# KiCad board SparkFun_Thing_Plus_ESP32-S3_panelized.kicad_pcb (continued)
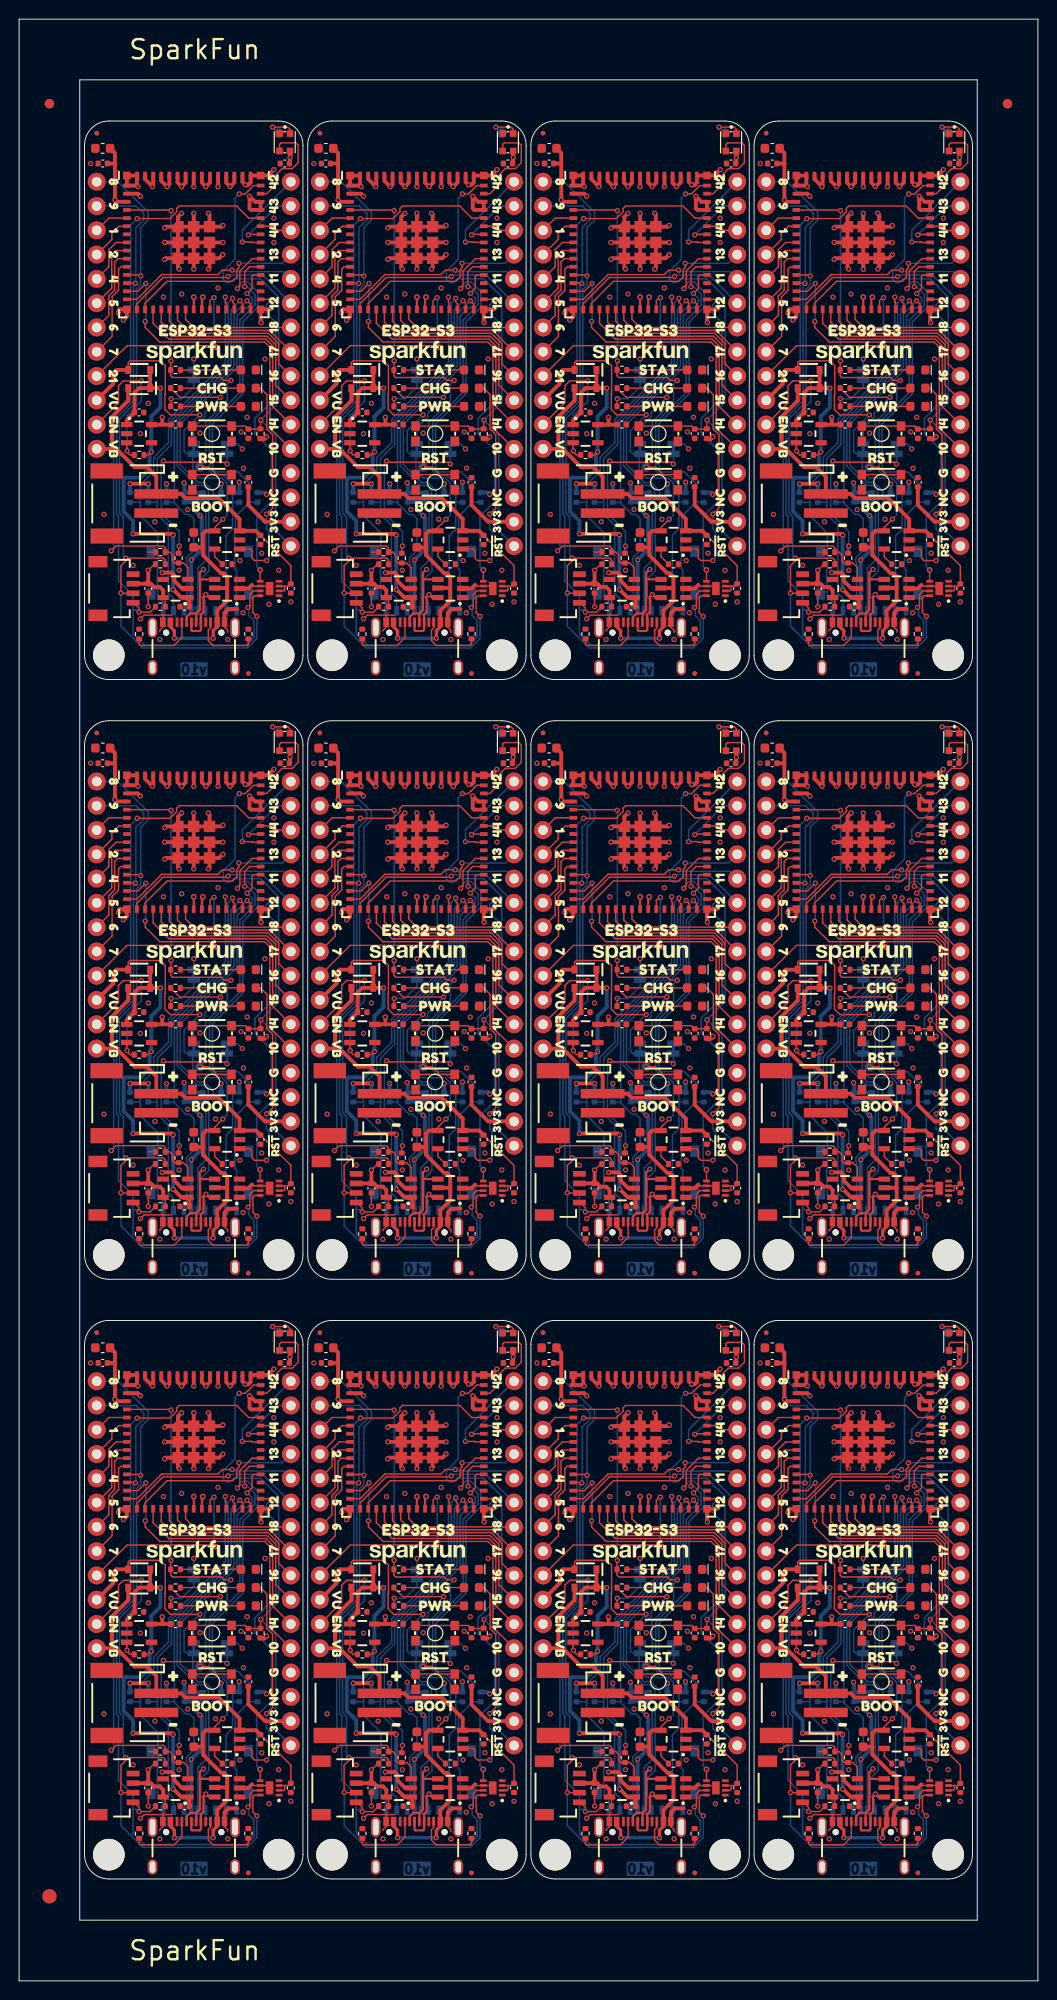
[diagram p0: board, top side]
## Placement (name value [footprint] x y rotation side) (continued)
ST1#2  Stand_off  [STAND-OFF]  79.47 13.2 0 top
ST1#3  Stand_off  [STAND-OFF]  9.39 75.93 0 top
ST1#4  Stand_off  [STAND-OFF]  32.75 13.2 0 top
ST1#5  Stand_off  [STAND-OFF]  56.11 13.2 0 top
ST1#6  Stand_off  [STAND-OFF]  32.75 138.66 0 top
ST1#7  Stand_off  [STAND-OFF]  79.47 138.66 0 top
ST1#8  Stand_off  [STAND-OFF]  9.39 138.66 0 top
ST1#9  Stand_off  [STAND-OFF]  32.75 75.93 0 top
ST1#10  Stand_off  [STAND-OFF]  56.11 138.66 0 top
ST1#11  Stand_off  [STAND-OFF]  79.47 75.93 0 top
ST1#12  Stand_off  [STAND-OFF]  9.39 13.2 0 top
ST3  Stand_off  [STAND-OFF]  50.53 75.93 0 top
ST3#2  Stand_off  [STAND-OFF]  97.25 138.66 0 top
ST3#3  Stand_off  [STAND-OFF]  73.89 13.2 0 top
ST3#4  Stand_off  [STAND-OFF]  97.25 13.2 0 top
ST3#5  Stand_off  [STAND-OFF]  27.17 75.93 0 top
ST3#6  Stand_off  [STAND-OFF]  27.17 138.66 0 top
ST3#7  Stand_off  [STAND-OFF]  73.89 75.93 0 top
ST3#8  Stand_off  [STAND-OFF]  50.53 13.2 0 top
ST3#9  Stand_off  [STAND-OFF]  50.53 138.66 0 top
ST3#10  Stand_off  [STAND-OFF]  73.89 138.66 0 top
ST3#11  Stand_off  [STAND-OFF]  97.25 75.93 0 top
ST3#12  Stand_off  [STAND-OFF]  27.17 13.2 0 top
SW1  4.6x2.8mm  [Momentary_SMD_4.6x2.8mm_h2.5mm]  43.54 156.76 0 top
SW1#2  4.6x2.8mm  [Momentary_SMD_4.6x2.8mm_h2.5mm]  66.91 156.76 0 top
SW1#3  4.6x2.8mm  [Momentary_SMD_4.6x2.8mm_h2.5mm]  66.91 31.3 0 top
SW1#4  4.6x2.8mm  [Momentary_SMD_4.6x2.8mm_h2.5mm]  43.54 31.3 0 top
SW1#5  4.6x2.8mm  [Momentary_SMD_4.6x2.8mm_h2.5mm]  66.91 94.03 0 top
SW1#6  4.6x2.8mm  [Momentary_SMD_4.6x2.8mm_h2.5mm]  90.26 156.76 0 top
SW1#7  4.6x2.8mm  [Momentary_SMD_4.6x2.8mm_h2.5mm]  20.19 156.76 0 top
SW1#8  4.6x2.8mm  [Momentary_SMD_4.6x2.8mm_h2.5mm]  90.26 94.03 0 top
SW1#9  4.6x2.8mm  [Momentary_SMD_4.6x2.8mm_h2.5mm]  20.19 94.03 0 top
SW1#10  4.6x2.8mm  [Momentary_SMD_4.6x2.8mm_h2.5mm]  43.54 94.03 0 top
SW1#11  4.6x2.8mm  [Momentary_SMD_4.6x2.8mm_h2.5mm]  90.26 31.3 0 top
SW1#12  4.6x2.8mm  [Momentary_SMD_4.6x2.8mm_h2.5mm]  20.19 31.3 0 top
SW2  4.6x2.8mm  [Momentary_SMD_4.6x2.8mm_h2.5mm]  90.26 36.38 0 top
SW2#2  4.6x2.8mm  [Momentary_SMD_4.6x2.8mm_h2.5mm]  66.91 161.84 0 top
SW2#3  4.6x2.8mm  [Momentary_SMD_4.6x2.8mm_h2.5mm]  43.54 99.11 0 top
SW2#4  4.6x2.8mm  [Momentary_SMD_4.6x2.8mm_h2.5mm]  66.91 36.38 0 top
SW2#5  4.6x2.8mm  [Momentary_SMD_4.6x2.8mm_h2.5mm]  43.54 161.84 0 top
SW2#6  4.6x2.8mm  [Momentary_SMD_4.6x2.8mm_h2.5mm]  20.19 99.11 0 top
SW2#7  4.6x2.8mm  [Momentary_SMD_4.6x2.8mm_h2.5mm]  20.19 161.84 0 top
SW2#8  4.6x2.8mm  [Momentary_SMD_4.6x2.8mm_h2.5mm]  66.91 99.11 0 top
SW2#9  4.6x2.8mm  [Momentary_SMD_4.6x2.8mm_h2.5mm]  43.54 36.38 0 top
SW2#10  4.6x2.8mm  [Momentary_SMD_4.6x2.8mm_h2.5mm]  90.26 161.84 0 top
SW2#11  4.6x2.8mm  [Momentary_SMD_4.6x2.8mm_h2.5mm]  90.26 99.11 0 top
SW2#12  4.6x2.8mm  [Momentary_SMD_4.6x2.8mm_h2.5mm]  20.19 36.38 0 top
TP1  1.0mm  [TestPoint-1.0mm]  27.17 193.27 180 bottom
TP1#2  1.0mm  [TestPoint-1.0mm]  50.53 67.81 180 bottom
TP1#3  1.0mm  [TestPoint-1.0mm]  27.17 130.54 180 bottom
TP1#4  1.0mm  [TestPoint-1.0mm]  73.89 193.27 180 bottom
TP1#5  1.0mm  [TestPoint-1.0mm]  73.89 130.54 180 bottom
TP1#6  1.0mm  [TestPoint-1.0mm]  97.25 130.54 180 bottom
TP1#7  1.0mm  [TestPoint-1.0mm]  50.53 130.54 180 bottom
TP1#8  1.0mm  [TestPoint-1.0mm]  50.53 193.27 180 bottom
TP1#9  1.0mm  [TestPoint-1.0mm]  73.89 67.81 180 bottom
TP1#10  1.0mm  [TestPoint-1.0mm]  97.25 193.27 180 bottom
TP1#11  1.0mm  [TestPoint-1.0mm]  97.25 67.81 180 bottom
TP1#12  1.0mm  [TestPoint-1.0mm]  27.17 67.81 180 bottom
TP2  1.0mm  [TestPoint-1.0mm]  89 32.88 180 bottom
TP2#2  1.0mm  [TestPoint-1.0mm]  42.28 32.88 180 bottom
TP2#3  1.0mm  [TestPoint-1.0mm]  42.28 95.62 180 bottom
TP2#4  1.0mm  [TestPoint-1.0mm]  18.92 95.62 180 bottom
TP2#5  1.0mm  [TestPoint-1.0mm]  65.63 158.34 180 bottom
TP2#6  1.0mm  [TestPoint-1.0mm]  89 95.62 180 bottom
TP2#7  1.0mm  [TestPoint-1.0mm]  89 158.34 180 bottom
TP2#8  1.0mm  [TestPoint-1.0mm]  18.92 158.34 180 bottom
TP2#9  1.0mm  [TestPoint-1.0mm]  42.28 158.34 180 bottom
TP2#10  1.0mm  [TestPoint-1.0mm]  65.63 95.62 180 bottom
TP2#11  1.0mm  [TestPoint-1.0mm]  65.63 32.88 180 bottom
TP2#12  1.0mm  [TestPoint-1.0mm]  18.92 32.88 180 bottom
U1  RT9080-3.3  [SOT23-5]  16.38 145.65 180 top
U1#2  RT9080-3.3  [SOT23-5]  39.74 20.19 180 top
U1#3  RT9080-3.3  [SOT23-5]  16.38 82.92 180 top
U1#4  RT9080-3.3  [SOT23-5]  63.09 145.65 180 top
U1#5  RT9080-3.3  [SOT23-5]  86.46 145.65 180 top
U1#6  RT9080-3.3  [SOT23-5]  63.09 20.19 180 top
U1#7  RT9080-3.3  [SOT23-5]  39.74 145.65 180 top
U1#8  RT9080-3.3  [SOT23-5]  86.46 20.19 180 top
U1#9  RT9080-3.3  [SOT23-5]  63.09 82.92 180 top
U1#10  RT9080-3.3  [SOT23-5]  39.74 82.92 180 top
U1#11  RT9080-3.3  [SOT23-5]  86.46 82.92 180 top
U1#12  RT9080-3.3  [SOT23-5]  16.38 20.19 180 top
U2  TVS_ESD_USB  [SOT23-6]  21.77 145.65 180 top
U2#2  TVS_ESD_USB  [SOT23-6]  21.77 82.92 180 top
U2#3  TVS_ESD_USB  [SOT23-6]  68.49 145.65 180 top
U2#4  TVS_ESD_USB  [SOT23-6]  45.13 20.19 180 top
U2#5  TVS_ESD_USB  [SOT23-6]  91.85 145.65 180 top
U2#6  TVS_ESD_USB  [SOT23-6]  68.49 20.19 180 top
U2#7  TVS_ESD_USB  [SOT23-6]  45.13 82.92 180 top
U2#8  TVS_ESD_USB  [SOT23-6]  45.13 145.65 180 top
U2#9  TVS_ESD_USB  [SOT23-6]  68.49 82.92 180 top
U2#10  TVS_ESD_USB  [SOT23-6]  91.85 20.19 180 top
U2#11  TVS_ESD_USB  [SOT23-6]  91.85 82.92 180 top
U2#12  TVS_ESD_USB  [SOT23-6]  21.77 20.19 180 top
U3  ESP32-S3-MINI  [ESP32-MINI]  88.36 56.38 0 top
U3#2  ESP32-S3-MINI  [ESP32-MINI]  18.28 181.84 0 top
U3#3  ESP32-S3-MINI  [ESP32-MINI]  65 56.38 0 top
U3#4  ESP32-S3-MINI  [ESP32-MINI]  41.64 181.84 0 top
U3#5  ESP32-S3-MINI  [ESP32-MINI]  18.28 119.11 0 top
U3#6  ESP32-S3-MINI  [ESP32-MINI]  88.36 119.11 0 top
U3#7  ESP32-S3-MINI  [ESP32-MINI]  65 119.11 0 top
U3#8  ESP32-S3-MINI  [ESP32-MINI]  65 181.84 0 top
U3#9  ESP32-S3-MINI  [ESP32-MINI]  88.36 181.84 0 top
U3#10  ESP32-S3-MINI  [ESP32-MINI]  41.64 56.38 0 top
U3#11  ESP32-S3-MINI  [ESP32-MINI]  41.64 119.11 0 top
U3#12  ESP32-S3-MINI  [ESP32-MINI]  18.28 56.38 0 top
U4  MAX17048  [DFN-8]  96.3 145.65 180 top
U4#2  MAX17048  [DFN-8]  96.3 82.92 180 top
U4#3  MAX17048  [DFN-8]  26.22 82.92 180 top
U4#4  MAX17048  [DFN-8]  49.58 82.92 180 top
U4#5  MAX17048  [DFN-8]  72.94 82.92 180 top
U4#6  MAX17048  [DFN-8]  72.94 145.65 180 top
U4#7  MAX17048  [DFN-8]  96.3 20.19 180 top
U4#8  MAX17048  [DFN-8]  49.58 20.19 180 top
U4#9  MAX17048  [DFN-8]  72.94 20.19 180 top
U4#10  MAX17048  [DFN-8]  49.58 145.65 180 top
U4#11  MAX17048  [DFN-8]  26.22 145.65 180 top
U4#12  MAX17048  [DFN-8]  26.22 20.19 180 top
U5  MCP73831  [SOT23-5]  21.77 150.72 180 top
U5#2  MCP73831  [SOT23-5]  68.49 150.72 180 top
U5#3  MCP73831  [SOT23-5]  91.85 25.27 180 top
U5#4  MCP73831  [SOT23-5]  68.49 25.27 180 top
U5#5  MCP73831  [SOT23-5]  45.13 150.72 180 top
U5#6  MCP73831  [SOT23-5]  91.85 88 180 top
U5#7  MCP73831  [SOT23-5]  45.13 25.27 180 top
U5#8  MCP73831  [SOT23-5]  21.77 88 180 top
U5#9  MCP73831  [SOT23-5]  45.13 88 180 top
U5#10  MCP73831  [SOT23-5]  68.49 88 180 top
U5#11  MCP73831  [SOT23-5]  91.85 150.72 180 top
U5#12  MCP73831  [SOT23-5]  21.77 25.27 180 top
U6  RT9080-3.3  [SOT23-5]  12.56 99.11 0 top
U6#2  RT9080-3.3  [SOT23-5]  12.56 161.84 0 top
U6#3  RT9080-3.3  [SOT23-5]  35.93 36.38 0 top
U6#4  RT9080-3.3  [SOT23-5]  35.93 99.11 0 top
U6#5  RT9080-3.3  [SOT23-5]  59.28 36.38 0 top
U6#6  RT9080-3.3  [SOT23-5]  59.28 99.11 0 top
U6#7  RT9080-3.3  [SOT23-5]  59.28 161.84 0 top
U6#8  RT9080-3.3  [SOT23-5]  82.65 36.38 0 top
U6#9  RT9080-3.3  [SOT23-5]  82.65 99.11 0 top
U6#10  RT9080-3.3  [SOT23-5]  35.93 161.84 0 top
U6#11  RT9080-3.3  [SOT23-5]  82.65 161.84 0 top
U6#12  RT9080-3.3  [SOT23-5]  12.56 36.38 0 top
U9  ~  [ORDERING_INSTRUCTIONS]  116.3 61.46 0 top
U10  -  [ThingPlus]  18.28 102.6 0 top
U10#2  -  [ThingPlus]  65 165.33 0 top
U10#3  -  [ThingPlus]  41.64 39.87 0 top
U10#4  -  [ThingPlus]  18.28 165.33 0 top
U10#5  -  [ThingPlus]  41.64 102.6 0 top
U10#6  -  [ThingPlus]  41.64 165.33 0 top
U10#7  -  [ThingPlus]  65 39.87 0 top
U10#8  -  [ThingPlus]  65 102.6 0 top
U10#9  -  [ThingPlus]  88.36 165.33 0 top
U10#10  -  [ThingPlus]  88.36 39.87 0 top
U10#11  -  [ThingPlus]  88.36 102.6 0 top
U10#12  -  [ThingPlus]  18.28 39.87 0 top

## Library data of the parts
C1 C1#2-C1#12 = -: Description: Unpolarized capacitor; PROD_ID: CAP-14464; Tolerance: 20%; Voltage: 6.3V
C2 C2#2-C2#12 C5 C5#2-C5#12 C8 C8#2-C8#12 C11 C11#2-C11#12 = -: Description: Unpolarized capacitor; PROD_ID: CAP-14993; Tolerance: 10%; Voltage: 6.3V
C3 C3#2-C3#12 C4 C4#2-C4#12 = -: Description: Unpolarized capacitor; PROD_ID: CAP-14848; Tolerance: 20%; Voltage: 6.3V
C6 C6#2-C6#12 C13 C13#2-C13#12 = -: Description: Unpolarized capacitor; PROD_ID: CAP-14969; Tolerance: 10%; Voltage: 16V
C7 C7#2-C7#12 C12 C12#2-C12#12 = -: Description: Unpolarized capacitor; PROD_ID: CAP-14240; Tolerance: 10%; Voltage: 6.3V
C9 C9#2-C9#12 = -: Description: Unpolarized capacitor; PROD_ID: CAP-14106; Tolerance: 20%; Voltage: 35V
C10 C10#2-C10#12 C14 C14#2-C14#12 = -: Description: Unpolarized capacitor; PROD_ID: CAP-14232; Tolerance: 10%; Voltage: 10V
D1 D1#2-D1#12 = -: Description: Light emitting diode; PROD_ID: DIO-00821
D2 D2#2-D2#12 D3 D3#2-D3#12 = -: Description: Schottky diode; PROD_ID: DIO-14072; VDrop: 0.28V; VMax: 10V
D4 D4#2-D4#12 = -: Description: Light emitting diode; PROD_ID: DIO-09003
D5 D5#2-D5#12 = -: Description: Light emitting diode; PROD_ID: DIO-17976
D6 D6#2-D6#12 = -: Description: RGB LED with integrated controller; PROD_ID: DIO-15591
FID1 FID1#2-FID1#12 FID2 FID2#2-FID2#12 FID3 FID3#2-FID3#12 FID4 FID4#2-FID4#12 = -: Description: Fiducial Marker
J1 J1#2-J1#12 = -: Description: USB 2.0-only Type-C Receptacle connector; PROD_ID: CONN-14122
J2 J2#2-J2#12 = -: Description: Micro SD socket External Pin; PROD_ID: CONN-20948
J3 J3#2-J3#12 = -: Description: 2 Pin 2mm JST Battery Connector; PROD_ID: CONN-11443
J4 J4#2-J4#12 = -: Description: 4 pin JST 1mm polarized connector for I2C; PROD_ID: CONN-13694
JP1 JP1#2-JP1#12 JP2 JP2#2-JP2#12 JP3 JP3#2-JP3#12 = -: Description: Solder Jumper, 2-pole, closed/bridged
R1 R1#2-R1#12 R2 R2#2-R2#12 R3 R3#2-R3#12 R4 R4#2-R4#12 R5 R5#2-R5#12 R6 R6#2-R6#12 R8 R8#2-R8#12 R17 R17#2-R17#12 = -: Description: Resistor; PROD_ID: RES-14241
R7 R7#2-R7#12 = -: Description: Resistor; PROD_ID: RES-15187
R9 R9#2-R9#12 = -: Description: Resistor; PROD_ID: RES-15343
R10 R10#2-R10#12 R11 R11#2-R11#12 = -: Description: Resistor; PROD_ID: RES-14340
R12 R12#2-R12#12 R15 R15#2-R15#12 = -: Description: Resistor; PROD_ID: RES-14341
R13 R13#2-R13#12 R19 R19#2-R19#12 = -: Description: Resistor; PROD_ID: RES-13495
R14 R14#2-R14#12 = -: Description: Resistor; PROD_ID: RES-14342
R16 R16#2-R16#12 = -: Description: Resistor; PROD_ID: RES-15406
ST1 ST1#2-ST1#12 ST3 ST3#2-ST3#12 = -: Description: Drill holes for mechanically mounting via screws, standoffs, etc.
SW1 SW1#2-SW1#12 SW2 SW2#2-SW2#12 = -: Description: Single Pole Single Throw (SPST) switch; PROD_ID: SWCH-15606
TP1 TP1#2-TP1#12 TP2 TP2#2-TP2#12 = -: Description: Test Point
U1 U1#2-U1#12 U6 U6#2-U6#12 = -: Description: 600mA low dropout linear regulator, with enable pin, 3.8V-6V input voltage range, 3.3V fixed positive output, SOT-23-5; Imax: 600mA; Iq: 4µA; PROD_ID: VREG-19034; VMax: 6V
U2 U2#2-U2#12 = -: Description: Very low capacitance ESD protection diode, 4 data-line, SOT-23-6; PROD_ID: IC-13538
U3 U3#2-U3#12 = -: PROD_ID: IC-20979
U4 U4#2-U4#12 = -: Description: Fuela Gauge IC for Batteries; PROD_ID: IC-12551
U5 U5#2-U5#12 = -: Description: Single cell, Li-Ion/Li-Po charge management controller, 4.50V, Tri-State Status Output, in SOT23-5 package; PROD_ID: IC-09995
U10 U10#2-U10#12 = -: Description: Thing Plus Board Outline

## Footprints (pads in the part's own frame, mm; a bottom-side part is the same pattern mirrored in y, then rotated)
C_0402_1005Metric
  rrect 0.56x0.62 smd: 1(-0.48,0) 2(0.48,0)
C_0603_1608Metric
  rrect 0.9x0.95 smd: 1(-0.775,0) 2(0.775,0)
DFN-8
  rect 0.7x0.3 smd: 1(-0.99,0.75) 2(-0.99,0.25) 3(-0.99,-0.25) 4(-0.99,-0.75) 5(0.99,-0.75) 6(0.99,-0.25) 7(0.99,0.25) 8(0.99,0.75)
  rect 0.8x1.38 smd: 9(0,0)
ESP32-MINI
  rect 0.8x0.4 smd: 1(-7,5.95) 2(-7,5.1) 3(-7,4.25) 4(-7,3.4) 5(-7,2.55) 6(-7,1.7) 7(-7,0.85) 8(-7,0) 9(-7,-0.85) 10(-7,-1.7) 11(-7,-2.55) 12(-7,-3.4) 13(-7,-4.25) 14(-7,-5.1) 15(-7,-5.95) 31(7,-5.95) 32(7,-5.1) 33(7,-4.25) 34(7,-3.4) 35(7,-2.55) 36(7,-1.7) 37(7,-0.85) 38(7,0) 39(7,0.85) 40(7,1.7) 41(7,2.55) 42(7,3.4) 43(7,4.25) 44(7,5.1) 45(7,5.95)
  rect 0.4x0.8 smd: 16(-5.95,-7) 17(-5.1,-7) 18(-4.25,-7) 19(-3.4,-7) 20(-2.55,-7) 21(-1.7,-7) 22(-0.85,-7) 23(0,-7) 24(0.85,-7) 25(1.7,-7) 26(2.55,-7) 27(3.4,-7) 28(4.25,-7) 29(5.1,-7) 30(5.95,-7) 46(5.95,7) 47(5.1,7) 48(4.25,7) 49(3.4,7) 50(2.55,7) 51(1.7,7) 52(0.85,7) 53(0,7) 54(-0.85,7) 55(-1.7,7) 56(-2.55,7) 57(-3.4,7) 58(-4.25,7) 59(-5.1,7) 60(-5.95,7)
  rrect 1.2x1.2 smd: 61(-1.65,1.65)
  rect 1.2x1.2 smd: 61(-1.65,0) 61(-1.65,-1.65) 61(0,1.65) 61(0,0) 61(0,-1.65) 61(1.65,1.65) 61(1.65,0) 61(1.65,-1.65)
  rect 0.8x0.8 smd: 62(-7,7) 63(-7,-7) 64(7,-7) 65(7,7)
Fiducial_0.5mm_Mask1mm
  round 0.5 smd: (0,0)
Fiducial_1.5mm_Mask3mm
  round 1.5 smd: (0,0)
Fiducial_1mm_Mask3mm
  round 1 smd: (0,0)
JST04_1MM_RA
  rect 0.6x1.35 smd: 1(-1.5,0) 2(-0.5,0) 3(0.5,0) 4(1.5,0)
  rect 1.2x2 smd: NC1(2.8,-3.675) NC2(-2.8,-3.675)
JST-2-SMD
  rect 1x4.6 smd: 1(-1,-3.7) 2(1,-3.7)
  rect 1.6x3.4 smd: NC1(-3.4,1.5) NC2(3.4,1.5)
LED_0603_1608Metric
  rrect 0.875x0.95 smd: 1(-0.787,0) 2(0.787,0)
microSD_Friction_Fit_Atom
  rect 0.5x1 smd: 1(3.85,-3.975) 2(2.75,-3.975) 3(1.65,-3.975) 4(0.9,-3.975) 5(-0.55,-3.975) 6(-1.65,-3.975) 7(-2.75,-3.975) 8(-3.85,-3.975) 9(0.2,-3.975)
  rect 0.95x1.2 smd: 10(-5.1,-2.225) 10(-5.1,2.225) 10(5.1,-2.225) 10(5.1,2.225)
Momentary_SMD_4.6x2.8mm_h2.5mm
  rect 0.9x1 smd: 1(-2.05,0.8) 1(2.05,0.8) 2(-2.05,-0.8) 2(2.05,-0.8)
R_0402_1005Metric
  rrect 0.54x0.64 smd: 1(-0.51,0) 2(0.51,0)
SMT-JUMPER_2_NC_TRACE_SILK
  rect 0.66x1.27 smd: 1(-0.521,0) 2(0.521,0)
SOD-323
  rect 0.63x0.83 smd: A(1.15,0) C(-1.15,0)
SOT23-5
  rect 1.2x0.55 smd: 1(-1.3,0.95) 2(-1.3,0) 3(-1.3,-0.95) 4(1.3,-0.95) 5(1.3,0.95)
SOT23-6
  rect 1.2x0.55 smd: 1(-1.3,0.95) 2(-1.3,0) 3(-1.3,-0.95) 4(1.3,-0.95) 5(1.3,-0.05) 6(1.3,0.95)
STAND-OFF
  round 3.302 hole 3.302 unplated: (0,0)
TestPoint-1.0mm
  rrect 1.016x1.016 smd: 1(0,0)
ThingPlus
  round 1.88 hole 1.016: 1(-10.16,22.86) 2(-10.16,20.32) 3(-10.16,17.78) 4(-10.16,15.24) 5(-10.16,12.7) 6(-10.16,10.16) 7(-10.16,7.62) 8(-10.16,5.08) 9(-10.16,2.54) 10(-10.16,0) 11(-10.16,-2.54) 12(-10.16,-5.08) 13(10.16,22.86) 14(10.16,20.32) 15(10.16,17.78) 16(10.16,15.24) 17(10.16,12.7) 18(10.16,10.16) 19(10.16,7.62) 20(10.16,5.08) 21(10.16,2.54) 22(10.16,0) 23(10.16,-2.54) 24(10.16,-5.08) 25(10.16,-7.62) 26(10.16,-10.16) 27(10.16,-12.7) 28(10.16,-15.24)
USB-C-16P
  round 0.65 hole 0.65 unplated: (-2.89,-1.445) (2.89,-1.445)
  rect 0.3x1 smd: A5(-1.25,-0.34) A6(-0.25,-0.34) A7(0.25,-0.34) A8(1.25,-0.34) B5(1.75,-0.34) B6(0.75,-0.34) B7(-0.75,-0.34) B8(-1.75,-0.34)
  rect 0.6x1 smd: GND(-3.225,-0.34) GND(3.225,-0.34) VBUS(-2.45,-0.34) VBUS(2.45,-0.34)
  oval 1x1.6 hole 0.6x1.2: NC1(-4.318,-5.095) S(4.318,-5.095)
  oval 1x2.1 hole 0.6x1.7: NC2(-4.318,-0.915) NC3(4.318,-0.915)
WS2812-2020
  rect 0.7x0.7 smd: 1(0.915,-0.55) 2(0.915,0.55) 3(-0.915,0.55) 4(-0.915,-0.55)

## Nets
3.3V: C1.2 C1#2.2 C1#3.2 C1#4.2 C1#5.2 C1#6.2 C1#7.2 C1#8.2 C1#9.2 C1#10.2 C1#11.2 C1#12.2 C7.1 C7#2.1 C7#3.1 C7#4.1 C7#5.1 C7#6.1 C7#7.1 C7#8.1 C7#9.1 C7#10.1 C7#11.1 C7#12.1 C11.1 C11#2.1 C11#3.1 C11#4.1 C11#5.1 C11#6.1 C11#7.1 C11#8.1 C11#9.1 C11#10.1 C11#11.1 C11#12.1 C13.1 C13#2.1 C13#3.1 C13#4.1 C13#5.1 C13#6.1 C13#7.1 C13#8.1 C13#9.1 C13#10.1 C13#11.1 C13#12.1 JP1.2 JP1#2.2 JP1#3.2 JP1#4.2 JP1#5.2 JP1#6.2 JP1#7.2 JP1#8.2 JP1#9.2 JP1#10.2 JP1#11.2 JP1#12.2 JP2.2 JP2#2.2 JP2#3.2 JP2#4.2 JP2#5.2 JP2#6.2 JP2#7.2 JP2#8.2 JP2#9.2 JP2#10.2 JP2#11.2 JP2#12.2 R8.1 R8#2.1 R8#3.1 R8#4.1 R8#5.1 R8#6.1 R8#7.1 R8#8.1 R8#9.1 R8#10.1 R8#11.1 R8#12.1 U3.3 U3#2.3 U3#3.3 U3#4.3 U3#5.3 U3#6.3 U3#7.3 U3#8.3 U3#9.3 U3#10.3 U3#11.3 U3#12.3 U6.5 U6#2.5 U6#3.5 U6#4.5 U6#5.5 U6#6.5 U6#7.5 U6#8.5 U6#9.5 U6#10.5 U6#11.5 U6#12.5 U10.27 U10#2.27 U10#3.27 U10#4.27 U10#5.27 U10#6.27 U10#7.27 U10#8.27 U10#9.27 U10#10.27 U10#11.27 U10#12.27
3.3V_P: C3.1 C3#2.1 C3#3.1 C3#4.1 C3#5.1 C3#6.1 C3#7.1 C3#8.1 C3#9.1 C3#10.1 C3#11.1 C3#12.1 C4.1 C4#2.1 C4#3.1 C4#4.1 C4#5.1 C4#6.1 C4#7.1 C4#8.1 C4#9.1 C4#10.1 C4#11.1 C4#12.1 C5.1 C5#2.1 C5#3.1 C5#4.1 C5#5.1 C5#6.1 C5#7.1 C5#8.1 C5#9.1 C5#10.1 C5#11.1 C5#12.1 C8.1 C8#2.1 C8#3.1 C8#4.1 C8#5.1 C8#6.1 C8#7.1 C8#8.1 C8#9.1 C8#10.1 C8#11.1 C8#12.1 D6.4 D6#2.4 D6#3.4 D6#4.4 D6#5.4 D6#6.4 D6#7.4 D6#8.4 D6#9.4 D6#10.4 D6#11.4 D6#12.4 J2.4 J2#2.4 J2#3.4 J2#4.4 J2#5.4 J2#6.4 J2#7.4 J2#8.4 J2#9.4 J2#10.4 J2#11.4 J2#12.4 J4.2 J4#2.2 J4#3.2 J4#4.2 J4#5.2 J4#6.2 J4#7.2 J4#8.2 J4#9.2 J4#10.2 J4#11.2 J4#12.2 R1.1 R1#2.1 R1#3.1 R1#4.1 R1#5.1 R1#6.1 R1#7.1 R1#8.1 R1#9.1 R1#10.1 R1#11.1 R1#12.1 R2.1 R2#2.1 R2#3.1 R2#4.1 R2#5.1 R2#6.1 R2#7.1 R2#8.1 R2#9.1 R2#10.1 R2#11.1 R2#12.1 R3.1 R3#2.1 R3#3.1 R3#4.1 R3#5.1 R3#6.1 R3#7.1 R3#8.1 R3#9.1 R3#10.1 R3#11.1 R3#12.1 R4.1 R4#2.1 R4#3.1 R4#4.1 R4#5.1 R4#6.1 R4#7.1 R4#8.1 R4#9.1 R4#10.1 R4#11.1 R4#12.1 R5.1 R5#2.1 R5#3.1 R5#4.1 R5#5.1 R5#6.1 R5#7.1 R5#8.1 R5#9.1 R5#10.1 R5#11.1 R5#12.1 R6.1 R6#2.1 R6#3.1 R6#4.1 R6#5.1 R6#6.1 R6#7.1 R6#8.1 R6#9.1 R6#10.1 R6#11.1 R6#12.1 R12.1 R12#2.1 R12#3.1 R12#4.1 R12#5.1 R12#6.1 R12#7.1 R12#8.1 R12#9.1 R12#10.1 R12#11.1 R12#12.1 R15.1 R15#2.1 R15#3.1 R15#4.1 R15#5.1 R15#6.1 R15#7.1 R15#8.1 R15#9.1 R15#10.1 R15#11.1 R15#12.1 U1.5 U1#2.5 U1#3.5 U1#4.5 U1#5.5 U1#6.5 U1#7.5 U1#8.5 U1#9.5 U1#10.5 U1#11.5 U1#12.5
GND: C1.1 C1#2.1 C1#3.1 C1#4.1 C1#5.1 C1#6.1 C1#7.1 C1#8.1 C1#9.1 C1#10.1 C1#11.1 C1#12.1 C2.2 C2#2.2 C2#3.2 C2#4.2 C2#5.2 C2#6.2 C2#7.2 C2#8.2 C2#9.2 C2#10.2 C2#11.2 C2#12.2 C3.2 C3#2.2 C3#3.2 C3#4.2 C3#5.2 C3#6.2 C3#7.2 C3#8.2 C3#9.2 C3#10.2 C3#11.2 C3#12.2 C4.2 C4#2.2 C4#3.2 C4#4.2 C4#5.2 C4#6.2 C4#7.2 C4#8.2 C4#9.2 C4#10.2 C4#11.2 C4#12.2 C5.2 C5#2.2 C5#3.2 C5#4.2 C5#5.2 C5#6.2 C5#7.2 C5#8.2 C5#9.2 C5#10.2 C5#11.2 C5#12.2 C6.2 C6#2.2 C6#3.2 C6#4.2 C6#5.2 C6#6.2 C6#7.2 C6#8.2 C6#9.2 C6#10.2 C6#11.2 C6#12.2 C7.2 C7#2.2 C7#3.2 C7#4.2 C7#5.2 C7#6.2 C7#7.2 C7#8.2 C7#9.2 C7#10.2 C7#11.2 C7#12.2 C8.2 C8#2.2 C8#3.2 C8#4.2 C8#5.2 C8#6.2 C8#7.2 C8#8.2 C8#9.2 C8#10.2 C8#11.2 C8#12.2 C9.2 C9#2.2 C9#3.2 C9#4.2 C9#5.2 C9#6.2 C9#7.2 C9#8.2 C9#9.2 C9#10.2 C9#11.2 C9#12.2 C10.2 C10#2.2 C10#3.2 C10#4.2 C10#5.2 C10#6.2 C10#7.2 C10#8.2 C10#9.2 C10#10.2 C10#11.2 C10#12.2 C11.2 C11#2.2 C11#3.2 C11#4.2 C11#5.2 C11#6.2 C11#7.2 C11#8.2 C11#9.2 C11#10.2 C11#11.2 C11#12.2 C12.2 C12#2.2 C12#3.2 C12#4.2 C12#5.2 C12#6.2 C12#7.2 C12#8.2 C12#9.2 C12#10.2 C12#11.2 C12#12.2 C13.2 C13#2.2 C13#3.2 C13#4.2 C13#5.2 C13#6.2 C13#7.2 C13#8.2 C13#9.2 C13#10.2 C13#11.2 C13#12.2 C14.2 C14#2.2 C14#3.2 C14#4.2 C14#5.2 C14#6.2 C14#7.2 C14#8.2 C14#9.2 C14#10.2 C14#11.2 C14#12.2 D1.1 D1#2.1 D1#3.1 D1#4.1 D1#5.1 D1#6.1 D1#7.1 D1#8.1 D1#9.1 D1#10.1 D1#11.1 D1#12.1 D5.1 D5#2.1 D5#3.1 D5#4.1 D5#5.1 D5#6.1 D5#7.1 D5#8.1 D5#9.1 D5#10.1 D5#11.1 D5#12.1 D6.2 D6#2.2 D6#3.2 D6#4.2 D6#5.2 D6#6.2 D6#7.2 D6#8.2 D6#9.2 D6#10.2 D6#11.2 D6#12.2 J1.GND J1.S J1#2.GND J1#2.S J1#3.GND J1#3.S J1#4.GND J1#4.S J1#5.GND J1#5.S J1#6.GND J1#6.S J1#7.GND J1#7.S J1#8.GND J1#8.S J1#9.GND J1#9.S J1#10.GND J1#10.S J1#11.GND J1#11.S J1#12.GND J1#12.S J2.6 J2.10 J2#2.6 J2#2.10 J2#3.6 J2#3.10 J2#4.6 J2#4.10 J2#5.6 J2#5.10 J2#6.6 J2#6.10 J2#7.6 J2#7.10 J2#8.6 J2#8.10 J2#9.6 J2#9.10 J2#10.6 J2#10.10 J2#11.6 J2#11.10 J2#12.6 J2#12.10 J3.1 J3#2.1 J3#3.1 J3#4.1 J3#5.1 J3#6.1 J3#7.1 J3#8.1 J3#9.1 J3#10.1 J3#11.1 J3#12.1 J4.1 J4#2.1 J4#3.1 J4#4.1 J4#5.1 J4#6.1 J4#7.1 J4#8.1 J4#9.1 J4#10.1 J4#11.1 J4#12.1 R10.1 R10#2.1 R10#3.1 R10#4.1 R10#5.1 R10#6.1 R10#7.1 R10#8.1 R10#9.1 R10#10.1 R10#11.1 R10#12.1 R11.2 R11#2.2 R11#3.2 R11#4.2 R11#5.2 R11#6.2 R11#7.2 R11#8.2 R11#9.2 R11#10.2 R11#11.2 R11#12.2 R16.2 R16#2.2 R16#3.2 R16#4.2 R16#5.2 R16#6.2 R16#7.2 R16#8.2 R16#9.2 R16#10.2 R16#11.2 R16#12.2 R19.2 R19#2.2 R19#3.2 R19#4.2 R19#5.2 R19#6.2 R19#7.2 R19#8.2 R19#9.2 R19#10.2 R19#11.2 R19#12.2 SW1.2 SW1#2.2 SW1#3.2 SW1#4.2 SW1#5.2 SW1#6.2 SW1#7.2 SW1#8.2 SW1#9.2 SW1#10.2 SW1#11.2 SW1#12.2 SW2.2 SW2#2.2 SW2#3.2 SW2#4.2 SW2#5.2 SW2#6.2 SW2#7.2 SW2#8.2 SW2#9.2 SW2#10.2 SW2#11.2 SW2#12.2 U1.2 U1#2.2 U1#3.2 U1#4.2 U1#5.2 U1#6.2 U1#7.2 U1#8.2 U1#9.2 U1#10.2 U1#11.2 U1#12.2 U2.2 U2#2.2 U2#3.2 U2#4.2 U2#5.2 U2#6.2 U2#7.2 U2#8.2 U2#9.2 U2#10.2 U2#11.2 U2#12.2 U3.1 U3.2 U3.42 U3.43 U3.46 U3.47 U3.48 U3.49 U3.50 U3.51 U3.52 U3.53 U3.54 U3.55 U3.56 U3.57 U3.58 U3.59 U3.60 U3.61 U3.62 U3.63 U3.64 U3.65 U3#2.1 U3#2.2 U3#2.42 U3#2.43 U3#2.46 U3#2.47 U3#2.48 U3#2.49 U3#2.50 U3#2.51 U3#2.52 U3#2.53 U3#2.54 U3#2.55 U3#2.56 U3#2.57 U3#2.58 U3#2.59 U3#2.60 U3#2.61 U3#2.62 U3#2.63 U3#2.64 U3#2.65 U3#3.1 U3#3.2 U3#3.42 U3#3.43 U3#3.46 U3#3.47 U3#3.48 U3#3.49 U3#3.50 U3#3.51 U3#3.52 U3#3.53 U3#3.54 U3#3.55 U3#3.56 U3#3.57 U3#3.58 U3#3.59 U3#3.60 U3#3.61 U3#3.62 U3#3.63 U3#3.64 U3#3.65 U3#4.1 U3#4.2 U3#4.42 U3#4.43 U3#4.46 U3#4.47 U3#4.48 U3#4.49 U3#4.50 U3#4.51 U3#4.52 U3#4.53 U3#4.54 U3#4.55 U3#4.56 U3#4.57 U3#4.58 U3#4.59 U3#4.60 U3#4.61 U3#4.62 U3#4.63 U3#4.64 U3#4.65 U3#5.1 U3#5.2 U3#5.42 U3#5.43 U3#5.46 U3#5.47 U3#5.48 U3#5.49 U3#5.50 U3#5.51 U3#5.52 U3#5.53 U3#5.54 U3#5.55 U3#5.56 U3#5.57 U3#5.58 U3#5.59 U3#5.60 U3#5.61 U3#5.62 U3#5.63 U3#5.64 U3#5.65 U3#6.1 U3#6.2 U3#6.42 U3#6.43 U3#6.46 U3#6.47 U3#6.48 U3#6.49 U3#6.50 U3#6.51 U3#6.52 U3#6.53 U3#6.54 U3#6.55 U3#6.56 U3#6.57 U3#6.58 U3#6.59 U3#6.60 U3#6.61 U3#6.62 U3#6.63 U3#6.64 U3#6.65 U3#7.1 U3#7.2 U3#7.42 U3#7.43 U3#7.46 U3#7.47 U3#7.48 U3#7.49 U3#7.50 U3#7.51 U3#7.52 U3#7.53 U3#7.54 U3#7.55 U3#7.56 U3#7.57 U3#7.58 U3#7.59 U3#7.60 U3#7.61 U3#7.62 U3#7.63 U3#7.64 U3#7.65 U3#8.1 U3#8.2 U3#8.42 U3#8.43 U3#8.46 U3#8.47 U3#8.48 U3#8.49 U3#8.50 U3#8.51 U3#8.52 U3#8.53 U3#8.54 U3#8.55 U3#8.56 U3#8.57 U3#8.58 U3#8.59 U3#8.60 U3#8.61 U3#8.62 U3#8.63 U3#8.64 U3#8.65 U3#9.1 U3#9.2 U3#9.42 U3#9.43 U3#9.46 U3#9.47 U3#9.48 U3#9.49 U3#9.50 U3#9.51 U3#9.52 U3#9.53 U3#9.54 U3#9.55 U3#9.56 U3#9.57 U3#9.58 U3#9.59 U3#9.60 U3#9.61 U3#9.62 U3#9.63 U3#9.64 U3#9.65 U3#10.1 U3#10.2 U3#10.42 U3#10.43 U3#10.46 U3#10.47 U3#10.48 U3#10.49 U3#10.50 U3#10.51 U3#10.52 U3#10.53 U3#10.54 U3#10.55 U3#10.56 U3#10.57 U3#10.58 U3#10.59 U3#10.60 U3#10.61 U3#10.62 U3#10.63 U3#10.64 U3#10.65 U3#11.1 U3#11.2 U3#11.42 U3#11.43 U3#11.46 U3#11.47 U3#11.48 U3#11.49 U3#11.50 U3#11.51 U3#11.52 U3#11.53 U3#11.54 U3#11.55 U3#11.56 U3#11.57 U3#11.58 U3#11.59 U3#11.60 U3#11.61 U3#11.62 U3#11.63 U3#11.64 U3#11.65 U3#12.1 U3#12.2 U3#12.42 U3#12.43 U3#12.46 U3#12.47 U3#12.48 U3#12.49 U3#12.50 U3#12.51 U3#12.52 U3#12.53 U3#12.54 U3#12.55 U3#12.56 U3#12.57 U3#12.58 U3#12.59 U3#12.60 U3#12.61 U3#12.62 U3#12.63 U3#12.64 U3#12.65 U4.1 U4.4 U4.6 U4.9 U4#2.1 U4#2.4 U4#2.6 U4#2.9 U4#3.1 U4#3.4 U4#3.6 U4#3.9 U4#4.1 U4#4.4 U4#4.6 U4#4.9 U4#5.1 U4#5.4 U4#5.6 U4#5.9 U4#6.1 U4#6.4 U4#6.6 U4#6.9 U4#7.1 U4#7.4 U4#7.6 U4#7.9 U4#8.1 U4#8.4 U4#8.6 U4#8.9 U4#9.1 U4#9.4 U4#9.6 U4#9.9 U4#10.1 U4#10.4 U4#10.6 U4#10.9 U4#11.1 U4#11.4 U4#11.6 U4#11.9 U4#12.1 U4#12.4 U4#12.6 U4#12.9 U5.2 U5#2.2 U5#3.2 U5#4.2 U5#5.2 U5#6.2 U5#7.2 U5#8.2 U5#9.2 U5#10.2 U5#11.2 U5#12.2 U6.2 U6#2.2 U6#3.2 U6#4.2 U6#5.2 U6#6.2 U6#7.2 U6#8.2 U6#9.2 U6#10.2 U6#11.2 U6#12.2 U10.25 U10#2.25 U10#3.25 U10#4.25 U10#5.25 U10#6.25 U10#7.25 U10#8.25 U10#9.25 U10#10.25 U10#11.25 U10#12.25
VBATT: C2.1 C2#2.1 C2#3.1 C2#4.1 C2#5.1 C2#6.1 C2#7.1 C2#8.1 C2#9.1 C2#10.1 C2#11.1 C2#12.1 C12.1 C12#2.1 C12#3.1 C12#4.1 C12#5.1 C12#6.1 C12#7.1 C12#8.1 C12#9.1 C12#10.1 C12#11.1 C12#12.1 D3.A D3#2.A D3#3.A D3#4.A D3#5.A D3#6.A D3#7.A D3#8.A D3#9.A D3#10.A D3#11.A D3#12.A J3.2 J3#2.2 J3#3.2 J3#4.2 J3#5.2 J3#6.2 J3#7.2 J3#8.2 J3#9.2 J3#10.2 J3#11.2 J3#12.2 U4.2 U4.3 U4#2.2 U4#2.3 U4#3.2 U4#3.3 U4#4.2 U4#4.3 U4#5.2 U4#5.3 U4#6.2 U4#6.3 U4#7.2 U4#7.3 U4#8.2 U4#8.3 U4#9.2 U4#9.3 U4#10.2 U4#10.3 U4#11.2 U4#11.3 U4#12.2 U4#12.3 U5.3 U5#2.3 U5#3.3 U5#4.3 U5#5.3 U5#6.3 U5#7.3 U5#8.3 U5#9.3 U5#10.3 U5#11.3 U5#12.3 U10.12 U10#2.12 U10#3.12 U10#4.12 U10#5.12 U10#6.12 U10#7.12 U10#8.12 U10#9.12 U10#10.12 U10#11.12 U10#12.12
VIN: C10.1 C10#2.1 C10#3.1 C10#4.1 C10#5.1 C10#6.1 C10#7.1 C10#8.1 C10#9.1 C10#10.1 C10#11.1 C10#12.1 C14.1 C14#2.1 C14#3.1 C14#4.1 C14#5.1 C14#6.1 C14#7.1 C14#8.1 C14#9.1 C14#10.1 C14#11.1 C14#12.1 D2.C D2#2.C D2#3.C D2#4.C D2#5.C D2#6.C D2#7.C D2#8.C D2#9.C D2#10.C D2#11.C D2#12.C D3.C D3#2.C D3#3.C D3#4.C D3#5.C D3#6.C D3#7.C D3#8.C D3#9.C D3#10.C D3#11.C D3#12.C R13.1 R13#2.1 R13#3.1 R13#4.1 R13#5.1 R13#6.1 R13#7.1 R13#8.1 R13#9.1 R13#10.1 R13#11.1 R13#12.1 U1.1 U1#2.1 U1#3.1 U1#4.1 U1#5.1 U1#6.1 U1#7.1 U1#8.1 U1#9.1 U1#10.1 U1#11.1 U1#12.1 U6.1 U6#2.1 U6#3.1 U6#4.1 U6#5.1 U6#6.1 U6#7.1 U6#8.1 U6#9.1 U6#10.1 U6#11.1 U6#12.1
EN: R13.2 R13#2.2 R13#3.2 R13#4.2 R13#5.2 R13#6.2 R13#7.2 R13#8.2 R13#9.2 R13#10.2 R13#11.2 R13#12.2 U6.3 U6#2.3 U6#3.3 U6#4.3 U6#5.3 U6#6.3 U6#7.3 U6#8.3 U6#9.3 U6#10.3 U6#11.3 U6#12.3 U10.11 U10#2.11 U10#3.11 U10#4.11 U10#5.11 U10#6.11 U10#7.11 U10#8.11 U10#9.11 U10#10.11 U10#11.11 U10#12.11
ESP0/STAT: R7.1 R7#2.1 R7#3.1 R7#4.1 R7#5.1 R7#6.1 R7#7.1 R7#8.1 R7#9.1 R7#10.1 R7#11.1 R7#12.1 SW1.1 SW1#2.1 SW1#3.1 SW1#4.1 SW1#5.1 SW1#6.1 SW1#7.1 SW1#8.1 SW1#9.1 SW1#10.1 SW1#11.1 SW1#12.1 TP2.1 TP2#2.1 TP2#3.1 TP2#4.1 TP2#5.1 TP2#6.1 TP2#7.1 TP2#8.1 TP2#9.1 TP2#10.1 TP2#11.1 TP2#12.1 U3.4 U3#2.4 U3#3.4 U3#4.4 U3#5.4 U3#6.4 U3#7.4 U3#8.4 U3#9.4 U3#10.4 U3#11.4 U3#12.4
ESP1: U3.5 U3#2.5 U3#3.5 U3#4.5 U3#5.5 U3#6.5 U3#7.5 U3#8.5 U3#9.5 U3#10.5 U3#11.5 U3#12.5 U10.3 U10#2.3 U10#3.3 U10#4.3 U10#5.3 U10#6.3 U10#7.3 U10#8.3 U10#9.3 U10#10.3 U10#11.3 U10#12.3
ESP2: U3.6 U3#2.6 U3#3.6 U3#4.6 U3#5.6 U3#6.6 U3#7.6 U3#8.6 U3#9.6 U3#10.6 U3#11.6 U3#12.6 U10.4 U10#2.4 U10#3.4 U10#4.4 U10#5.4 U10#6.4 U10#7.4 U10#8.4 U10#9.4 U10#10.4 U10#11.4 U10#12.4
ESP4: U3.8 U3#2.8 U3#3.8 U3#4.8 U3#5.8 U3#6.8 U3#7.8 U3#8.8 U3#9.8 U3#10.8 U3#11.8 U3#12.8 U10.5 U10#2.5 U10#3.5 U10#4.5 U10#5.5 U10#6.5 U10#7.5 U10#8.5 U10#9.5 U10#10.5 U10#11.5 U10#12.5
ESP5: U3.9 U3#2.9 U3#3.9 U3#4.9 U3#5.9 U3#6.9 U3#7.9 U3#8.9 U3#9.9 U3#10.9 U3#11.9 U3#12.9 U10.6 U10#2.6 U10#3.6 U10#4.6 U10#5.6 U10#6.6 U10#7.6 U10#8.6 U10#9.6 U10#10.6 U10#11.6 U10#12.6
ESP6: U3.10 U3#2.10 U3#3.10 U3#4.10 U3#5.10 U3#6.10 U3#7.10 U3#8.10 U3#9.10 U3#10.10 U3#11.10 U3#12.10 U10.7 U10#2.7 U10#3.7 U10#4.7 U10#5.7 U10#6.7 U10#7.7 U10#8.7 U10#9.7 U10#10.7 U10#11.7 U10#12.7
ESP7: U3.11 U3#2.11 U3#3.11 U3#4.11 U3#5.11 U3#6.11 U3#7.11 U3#8.11 U3#9.11 U3#10.11 U3#11.11 U3#12.11 U10.8 U10#2.8 U10#3.8 U10#4.8 U10#5.8 U10#6.8 U10#7.8 U10#8.8 U10#9.8 U10#10.8 U10#11.8 U10#12.8
ESP8/SDA: J4.3 J4#2.3 J4#3.3 J4#4.3 J4#5.3 J4#6.3 J4#7.3 J4#8.3 J4#9.3 J4#10.3 J4#11.3 J4#12.3 R15.2 R15#2.2 R15#3.2 R15#4.2 R15#5.2 R15#6.2 R15#7.2 R15#8.2 R15#9.2 R15#10.2 R15#11.2 R15#12.2 U3.12 U3#2.12 U3#3.12 U3#4.12 U3#5.12 U3#6.12 U3#7.12 U3#8.12 U3#9.12 U3#10.12 U3#11.12 U3#12.12 U4.8 U4#2.8 U4#3.8 U4#4.8 U4#5.8 U4#6.8 U4#7.8 U4#8.8 U4#9.8 U4#10.8 U4#11.8 U4#12.8 U10.1 U10#2.1 U10#3.1 U10#4.1 U10#5.1 U10#6.1 U10#7.1 U10#8.1 U10#9.1 U10#10.1 U10#11.1 U10#12.1
ESP9/SCL: J4.4 J4#2.4 J4#3.4 J4#4.4 J4#5.4 J4#6.4 J4#7.4 J4#8.4 J4#9.4 J4#10.4 J4#11.4 J4#12.4 R12.2 R12#2.2 R12#3.2 R12#4.2 R12#5.2 R12#6.2 R12#7.2 R12#8.2 R12#9.2 R12#10.2 R12#11.2 R12#12.2 U3.13 U3#2.13 U3#3.13 U3#4.13 U3#5.13 U3#6.13 U3#7.13 U3#8.13 U3#9.13 U3#10.13 U3#11.13 U3#12.13 U4.7 U4#2.7 U4#3.7 U4#4.7 U4#5.7 U4#6.7 U4#7.7 U4#8.7 U4#9.7 U4#10.7 U4#11.7 U4#12.7 U10.2 U10#2.2 U10#3.2 U10#4.2 U10#5.2 U10#6.2 U10#7.2 U10#8.2 U10#9.2 U10#10.2 U10#11.2 U10#12.2